# Altium PCB Power_Board.PcbDoc (part 1 of 2) (continued)
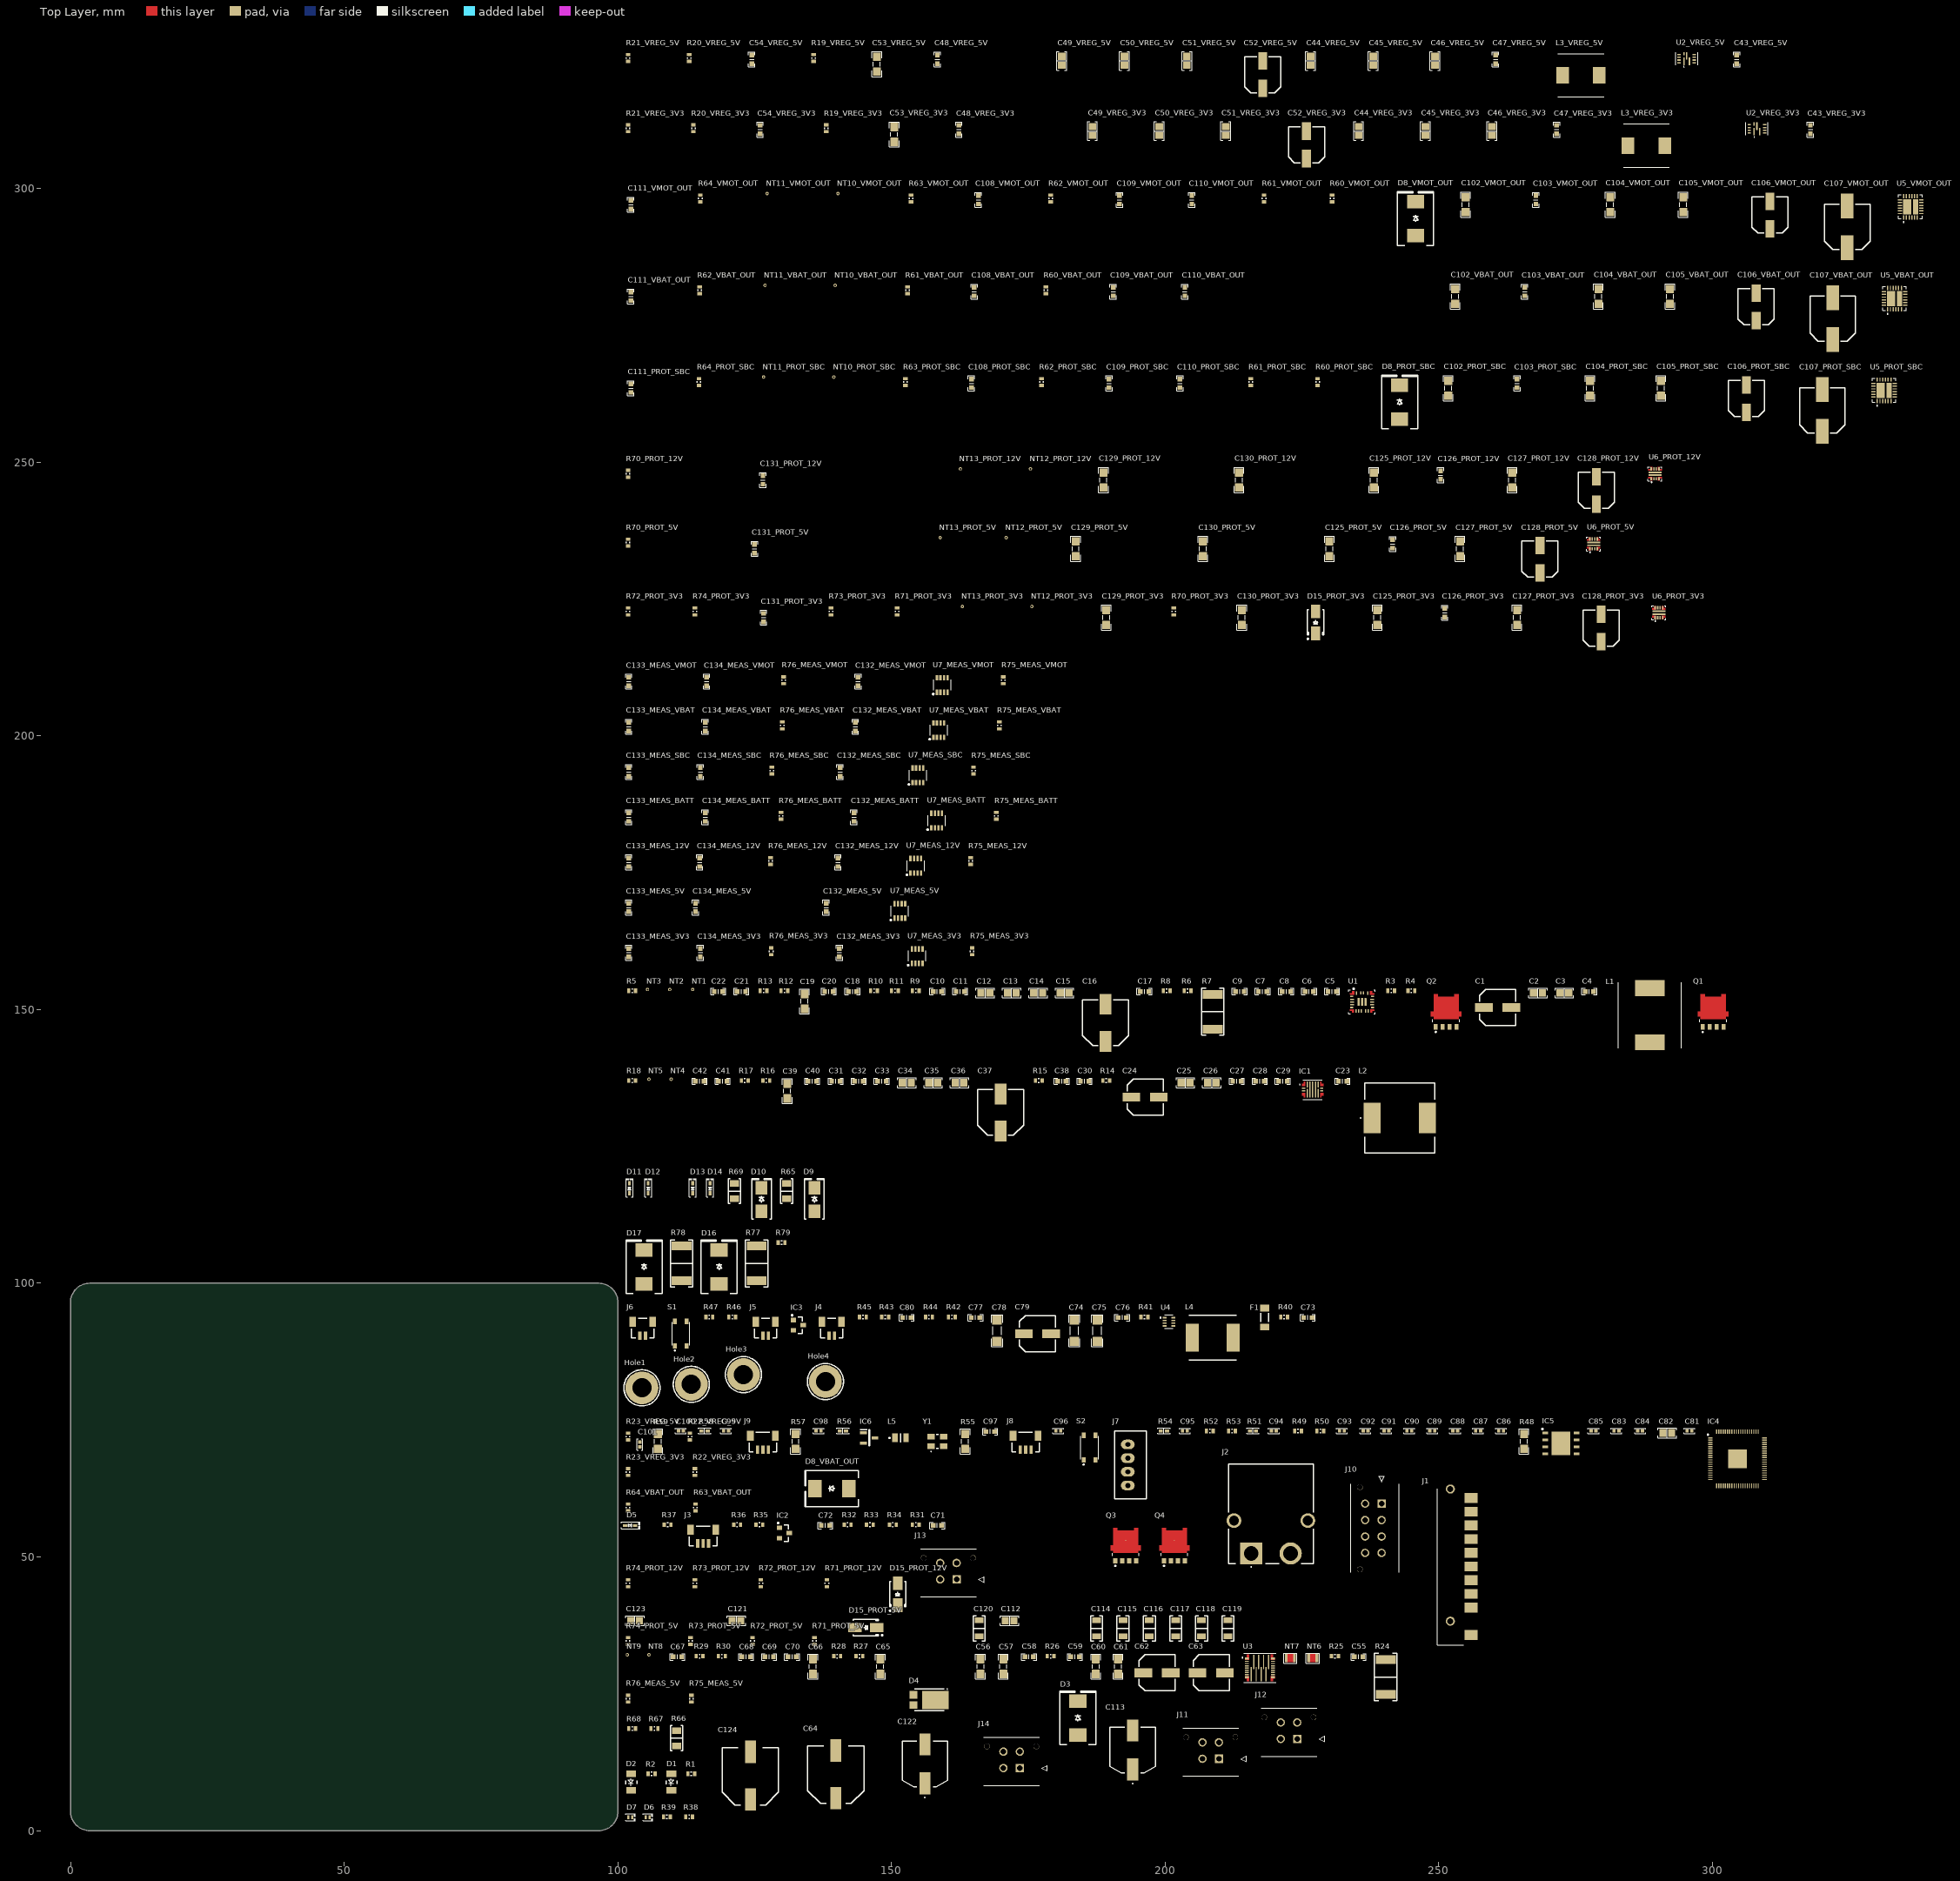
[diagram p0: Top Layer view]
## Components (designator, comment, footprint, x,y, rotation, side; value= is the part's Value field where it differs from the comment) (continued)
C103_VBAT_OUT "10nF" CAP_SMD_603 265.684,281.178 r90 top (schematic designator C103)
C103_VMOT_OUT "10nF" CAP_SMD_603 267.716,297.942 r90 top (schematic designator C103)
C104_PROT_SBC "1uF" CAP_SMD_805 277.622,263.525 r90 top (schematic designator C104)
C104_VBAT_OUT "1uF" CAP_SMD_805 279.146,280.289 r90 top (schematic designator C104)
C104_VMOT_OUT "1uF" CAP_SMD_805 281.305,297.053 r90 top (schematic designator C104)
C105_PROT_SBC "2.2uF" CAP_SMD_805 290.576,263.525 r90 top (schematic designator C105)
C105_VBAT_OUT "2.2uF" CAP_SMD_805 292.227,280.289 r90 top (schematic designator C105)
C105_VMOT_OUT "2.2uF" CAP_SMD_805 294.64,297.053 r90 top (schematic designator C105)
C106_PROT_SBC "100uF" "CAP ALSMD 6.6MM H5.4MM" 306.197,261.62 r90 top (schematic designator C106)
C106_VBAT_OUT "100uF" "CAP ALSMD 6.6MM H5.4MM" 307.975,278.384 r90 top (schematic designator C106)
C106_VMOT_OUT "100uF" "CAP ALSMD 6.6MM H5.4MM" 310.515,295.148 r90 top (schematic designator C106)
C107_PROT_SBC "330uF" "CAP ALSMD 8.3MM H10.5MM" 320.04,259.461 r90 top (schematic designator C107)
C107_VBAT_OUT "330uF" "CAP ALSMD 8.3MM H10.5MM" 321.945,276.225 r90 top (schematic designator C107)
C107_VMOT_OUT "330uF" "CAP ALSMD 8.3MM H10.5MM" 324.612,292.989 r90 top (schematic designator C107)
C108_PROT_SBC "*" CAP_SMD_603 164.592,264.414 r90 top (schematic designator C108)
C108_VBAT_OUT "*" CAP_SMD_603 165.1,281.178 r90 top (schematic designator C108)
C108_VMOT_OUT "*" CAP_SMD_603 165.862,297.942 r90 top (schematic designator C108)
C109_PROT_SBC "*" CAP_SMD_603 189.738,264.414 r90 top (schematic designator C109)
C109_VBAT_OUT "*" CAP_SMD_603 190.5,281.178 r90 top (schematic designator C109)
C109_VMOT_OUT "*" CAP_SMD_603 191.643,297.942 r90 top (schematic designator C109)
C110_PROT_SBC "15nF" CAP_SMD_603 202.692,264.414 r90 top (schematic designator C110)
C110_VBAT_OUT "15nF" CAP_SMD_603 203.581,281.178 r90 top (schematic designator C110)
C110_VMOT_OUT "15nF" CAP_SMD_603 204.851,297.942 r90 top (schematic designator C110)
C111_PROT_SBC "1nF" CAP_SMD_603 102.362,263.525 r90 top (schematic designator C111)
C111_VBAT_OUT "1nF" CAP_SMD_603 102.362,280.289 r90 top (schematic designator C111)
C111_VMOT_OUT "1nF" CAP_SMD_603 102.362,297.053 r90 top (schematic designator C111)
C112 "22 µF" "CAP 0805_2012" 171.577,38.354 r0 top
C113 "EEH-ZL1E471P" EEETC1V470P 194.056,14.732 r0 top value=470uF
C114 "47 µF" "MURATA CAP GRM31C 1206_3216" 187.452,36.957 r90 top
C115 "47 µF" "MURATA CAP GRM31C 1206_3216" 192.278,36.957 r90 top
C116 "47 µF" "MURATA CAP GRM31C 1206_3216" 197.104,36.957 r90 top
C117 "47 µF" "MURATA CAP GRM31C 1206_3216" 201.93,36.957 r90 top
C118 "47 µF" "MURATA CAP GRM31C 1206_3216" 206.629,36.957 r90 top
C119 "47 µF" "MURATA CAP GRM31C 1206_3216" 211.455,36.957 r90 top
C120 "47 µF" "MURATA CAP GRM31C 1206_3216" 165.989,36.957 r90 top
C121 "22 µF" "CAP 0805_2012" 121.666,38.354 r0 top
C122 "EEH-ZL1E471P" EEETC1V470P 156.083,12.186 r0 top value=470uF
C123 "22 µF" "CAP 0805_2012" 103.124,38.354 r0 top
C124 "EEH-ZS1E102UP" EEHZS1H221P 124.206,10.033 r90 top value=1000uF
C125_PROT_3V3 "1uF" CAP_SMD_805 238.76,221.615 r90 top (schematic designator C125)
C125_PROT_5V "1uF" CAP_SMD_805 229.997,234.188 r90 top (schematic designator C125)
C125_PROT_12V "1uF" CAP_SMD_805 238.125,246.761 r90 top (schematic designator C125)
C126_PROT_3V3 "100nF" CAP_SMD_603 251.079,222.504 r90 top (schematic designator C126)
C126_PROT_5V "100nF" CAP_SMD_603 241.554,235.077 r90 top (schematic designator C126)
C126_PROT_12V "100nF" CAP_SMD_603 250.317,247.65 r90 top (schematic designator C126)
C127_PROT_3V3 "4.7uF" CAP_SMD_805 264.287,221.615 r90 top (schematic designator C127)
C127_PROT_5V "4.7uF" CAP_SMD_805 253.873,234.188 r90 top (schematic designator C127)
C127_PROT_12V "4.7uF" CAP_SMD_805 263.398,246.761 r90 top (schematic designator C127)
C128_PROT_3V3 "100uF" "CAP ALSMD 6.6MM H5.4MM" 279.654,219.71 r90 top (schematic designator C128)
C128_PROT_5V "100uF" "CAP ALSMD 6.6MM H5.4MM" 268.478,232.283 r90 top (schematic designator C128)
C128_PROT_12V "100uF" "CAP ALSMD 6.6MM H5.4MM" 278.765,244.856 r90 top (schematic designator C128)
C129_PROT_3V3 "*" CAP_SMD_805 189.23,221.615 r90 top (schematic designator C129)
C129_PROT_5V "*" CAP_SMD_805 183.642,234.188 r90 top (schematic designator C129)
C129_PROT_12V "*" CAP_SMD_805 188.722,246.761 r90 top (schematic designator C129)
C130_PROT_3V3 "*" CAP_SMD_805 213.995,221.615 r90 top (schematic designator C130)
C130_PROT_5V "*" CAP_SMD_805 206.883,234.188 r90 top (schematic designator C130)
C130_PROT_12V "*" CAP_SMD_805 213.487,246.761 r90 top (schematic designator C130)
C131_PROT_3V3 "1nF" CAP_SMD_603 126.619,221.615 r90 top (schematic designator C131)
C131_PROT_5V "1nF" CAP_SMD_603 124.968,234.188 r90 top (schematic designator C131)
C131_PROT_12V "1nF" CAP_SMD_603 126.492,246.761 r90 top (schematic designator C131)
C132_MEAS_3V3 "100nF" CAP_SMD_603 140.462,160.401 r90 top (schematic designator C132)
C132_MEAS_5V "100nF" CAP_SMD_603 138.049,168.656 r90 top (schematic designator C132)
C132_MEAS_12V "100nF" CAP_SMD_603 140.208,176.911 r90 top (schematic designator C132)
C132_MEAS_BATT "100nF" CAP_SMD_603 143.129,185.166 r90 top (schematic designator C132)
C132_MEAS_SBC "100nF" CAP_SMD_603 140.589,193.421 r90 top (schematic designator C132)
C132_MEAS_VBAT "100nF" CAP_SMD_603 143.383,201.676 r90 top (schematic designator C132)
C132_MEAS_VMOT "100nF" CAP_SMD_603 143.891,209.931 r90 top (schematic designator C132)
C133_MEAS_3V3 "1uF" CAP_SMD_603 101.981,160.401 r90 top (schematic designator C133)
C133_MEAS_5V "1uF" CAP_SMD_603 101.981,168.656 r90 top (schematic designator C133)
C133_MEAS_12V "1uF" CAP_SMD_603 101.981,176.911 r90 top (schematic designator C133)
C133_MEAS_BATT "1uF" CAP_SMD_603 101.981,185.166 r90 top (schematic designator C133)
C133_MEAS_SBC "1uF" CAP_SMD_603 101.981,193.421 r90 top (schematic designator C133)
C133_MEAS_VBAT "1uF" CAP_SMD_603 101.981,201.676 r90 top (schematic designator C133)
C133_MEAS_VMOT "1uF" CAP_SMD_603 101.981,209.931 r90 top (schematic designator C133)
C134_MEAS_3V3 "100nF" CAP_SMD_603 115.062,160.401 r90 top (schematic designator C134)
C134_MEAS_5V "100nF" CAP_SMD_603 114.173,168.656 r90 top (schematic designator C134)
C134_MEAS_12V "100nF" CAP_SMD_603 114.935,176.911 r90 top (schematic designator C134)
C134_MEAS_BATT "100nF" CAP_SMD_603 115.951,185.166 r90 top (schematic designator C134)
C134_MEAS_SBC "100nF" CAP_SMD_603 115.062,193.421 r90 top (schematic designator C134)
C134_MEAS_VBAT "100nF" CAP_SMD_603 115.951,201.676 r90 top (schematic designator C134)
C134_MEAS_VMOT "100nF" CAP_SMD_603 116.205,209.931 r90 top (schematic designator C134)
D1 "LED" LED_1206 109.728,8.89 r90 top
D2 "LED" LED_1206 102.362,8.89 r90 top
D3 "SMDJ13A" "DO214AB SMC" 184.023,20.574 r90 top
D4 "SBR10U45SP5-13" "DIODES INC SDT10A45P5" 156.868,23.876 r180 top
D5 "ESD5Z3.3T1G" SOD523F 102.235,55.753 r0 top
D6 "TPD1E10B06DPYR" 0402 105.41,2.413 r0 top
D7 "TPD1E10B06DPYR" 0402 102.235,2.413 r0 top
D8_PROT_SBC "B530C-13-F" "DO214AB SMC" 242.824,260.985 r90 top (schematic designator D8)
D8_VBAT_OUT "B530C-13-F" "DO214AB SMC" 139.065,62.484 r180 top (schematic designator D8)
D8_VMOT_OUT "B530C-13-F" "DO214AB SMC" 245.745,294.513 r90 top (schematic designator D8)
D9 "SMBJ6.0A" "DO214AA SMB" 135.89,115.316 r90 top
D10 "SMBJ13A" "DO214AA SMB" 126.238,115.316 r90 top
D11 "ESD5Z3.3T1G" SOD523F 102.108,117.348 r90 top
D12 "ESD5Z3.3T1G" SOD523F 105.537,117.348 r90 top
D13 "ESD5Z5.0T1G" SOD523F 113.665,117.348 r90 top
D14 "ESD5Z5.0T1G" SOD523F 116.84,117.348 r90 top
D15_PROT_3V3 "B320AF-13" "DIODES INC SMAF" 227.457,220.726 r90 top (schematic designator D15)
D15_PROT_5V "B320AF-13" "DIODES INC SMAF" 145.288,37.084 r180 top (schematic designator D15)
D15_PROT_12V "B320AF-13" "DIODES INC SMAF" 151.13,43.18 r90 top (schematic designator D15)
D16 "SMCJ13A" "DO214AB SMC" 118.491,102.997 r90 top
D17 "SMCJ13A" "DO214AB SMC" 104.775,102.997 r90 top
F1 "SF-1206F050-2" "FUSE 1206_3216 0.6MM" 218.186,93.726 r90 top
Hole1 "Hole" hole_3.5 104.394,80.899 r0 top
Hole2 "Hole" hole_3.5 113.411,81.534 r0 top
Hole3 "Hole" hole_3.5 122.936,83.312 r0 top
Hole4 "Hole" hole_3.5 137.922,82.042 r0 top
IC1 "TPS55285VALR" XTPS55285VALR 226.949,135.382 r0 top
IC2 "IRLML6344TRPBF" "INFINEON SOT-23-3" 130.429,54.356 r0 top
IC3 "IRLML6344TRPBF" "INFINEON SOT-23-3" 132.969,92.329 r0 top
IC4 "RP2350B" QFN40P1000X1000X90-81N-D 304.546,67.945 r0 top
IC5 "W25Q64JVZPIQ" SON127P600X500X80-9N-D 272.288,70.739 r0 top
IC6 "LM4040A30IDBZR" SOT95P237X112-3N 145.923,71.755 r0 top
J1 "1-1473776-7" 114737767 252.095,48.26 r90 top
J2 "XT60PW-M" XT60PWM 215.71,50.642 r0 top
J3 "BM03B-SRSS-TB(LF)(SN)" "JST BM03B-SRSS-TB" 115.57,53.721 r0 top
J4 "BM02B-SRSS-TB(LF)(SN)" "JST BM02B-SRSS-TB" 139.065,91.694 r0 top
J5 "BM02B-SRSS-TB(LF)(SN)" "JST BM02B-SRSS-TB" 127,91.694 r0 top
J6 "BM02B-SRSS-TB(LF)(SN)" "JST BM02B-SRSS-TB" 104.521,91.694 r0 top
J7 "B4B-XH-A(LF)(SN)" "JST XH B4B-XH-A" 193.167,66.802 r90 top
J8 "BM03B-SRSS-TB(LF)(SN)" "JST BM03B-SRSS-TB" 174.498,70.866 r0 top
J9 "BM03B-SRSS-TB(LF)(SN)" "JST BM03B-SRSS-TB" 126.492,70.866 r0 top
J10 "43045-0812" 43045-08YY_121314 239.525,59.738 r90 top
J11 "43045-0412" 43045-04YY_121314 209.804,13.129 r0 top
J12 "43045-0412" 43045-04YY_121314 224.107,16.764 r0 top
J13 "43045-0412" 43045-04YY_121314 161.877,45.895 r0 top
J14 "43045-0412" 43045-04YY_121314 173.434,11.43 r0 top
L1 "4.7uH" WE-HCC_121021 288.544,148.971 r90 top
L2 "4.7uH" B82477G4472M000 242.824,130.175 r0 top
L3_VREG_3V3 "1.5uH" WE-HCC_807021 287.909,307.848 r0 top (schematic designator L3)
L3_VREG_5V "1.5uH" WE-HCC_807021 275.971,320.675 r0 top (schematic designator L3)
L4 "6.8uH" INDPM8682X400N 208.661,90.043 r0 top
L5 "3.3uH" AOTAB201610S3R3101T 151.638,71.755 r0 top
NT1 "Net_Tie" Net_Tie_Via 113.665,153.67 r0 top net-tie
NT2 "Net_Tie" Net_Tie_Via 109.474,153.67 r90 top net-tie
NT3 "Net_Tie" Net_Tie_Via 105.41,153.67 r90 top net-tie
NT4 "Net_Tie" Net_Tie_Via 109.728,137.287 r90 top net-tie
NT5 "Net_Tie" Net_Tie_Via 105.664,137.287 r90 top net-tie
NT6 "Net_Tie" Net_Tie_1.5mm 226.949,31.496 r0 top net-tie
NT7 "Net_Tie" Net_Tie_1.5mm 222.885,31.496 r0 top net-tie
NT8 "Net_Tie" Net_Tie_Via 105.664,32.131 r90 top net-tie
NT9 "Net_Tie" Net_Tie_Via 101.727,32.131 r90 top net-tie
NT10_PROT_SBC "Net_Tie" Net_Tie_Via 139.446,265.557 r90 top net-tie (schematic designator NT10)
NT10_VBAT_OUT "Net_Tie" Net_Tie_Via 139.7,282.321 r90 top net-tie (schematic designator NT10)
NT10_VMOT_OUT "Net_Tie" Net_Tie_Via 140.208,299.085 r90 top net-tie (schematic designator NT10)
NT11_PROT_SBC "Net_Tie" Net_Tie_Via 126.619,265.557 r90 top net-tie (schematic designator NT11)
NT11_VBAT_OUT "Net_Tie" Net_Tie_Via 126.873,282.321 r90 top net-tie (schematic designator NT11)
NT11_VMOT_OUT "Net_Tie" Net_Tie_Via 127.254,299.085 r90 top net-tie (schematic designator NT11)
NT12_PROT_3V3 "Net_Tie" Net_Tie_Via 175.641,223.647 r90 top net-tie (schematic designator NT12)
NT12_PROT_5V "Net_Tie" Net_Tie_Via 170.942,236.22 r90 top net-tie (schematic designator NT12)
NT12_PROT_12V "Net_Tie" Net_Tie_Via 175.387,248.793 r90 top net-tie (schematic designator NT12)
NT13_PROT_3V3 "Net_Tie" Net_Tie_Via 162.941,223.647 r90 top net-tie (schematic designator NT13)
NT13_PROT_5V "Net_Tie" Net_Tie_Via 158.877,236.22 r90 top net-tie (schematic designator NT13)
NT13_PROT_12V "Net_Tie" Net_Tie_Via 162.56,248.793 r90 top net-tie (schematic designator NT13)
Q1 "NVMFS4C305NET1G-YE" NVMFS4C05NWFET1G 298.196,146.812 r0 top
Q2 "NVMFS4C305NET1G-YE" NVMFS4C05NWFET1G 249.428,146.812 r0 top
Q3 "NTMFS003P03P8ZT1G" NVMFS4C05NWFET1G 190.881,49.276 r0 top
Q4 "NTMFS003P03P8ZT1G" NVMFS4C05NWFET1G 199.771,49.276 r0 top
R1 "220R" RES_0603 112.776,10.414 r0 top
R2 "220R" RES_0603 105.537,10.414 r0 top
R3 "1R" RES_0603 240.665,153.416 r0 top
R4 "1R" RES_0603 244.348,153.416 r0 top
R5 "10k" RES_0603 101.981,153.416 r0 top
R6 "0R" RES_0603 203.454,153.416 r0 top
R7 "3 mOhms" "RES 2512_6432" 208.661,149.606 r90 top
R8 "100k" RES_0603 199.644,153.416 r0 top
R9 "30.9k" RES_0603 153.797,153.416 r0 top
R10 "66.5k" RES_0603 146.177,153.416 r0 top
R11 "150k" RES_0603 149.987,153.416 r0 top
R12 "165k" RES_0603 129.794,153.416 r0 top
R13 "41.2k" RES_0603 125.984,153.416 r0 top
R14 "24.9k" RES_0603 188.595,137.033 r0 top
R15 "102k" RES_0603 176.276,137.033 r0 top
R16 "105k" RES_0603 126.492,137.033 r0 top
R17 "2.46k" RES_0603 122.555,137.033 r0 top
R18 "10k" RES_0603 101.981,137.033 r0 top
R19_VREG_3V3 "0R" RES_0603 138.049,310.388 r90 top (schematic designator R19)
R19_VREG_5V "0R" RES_0603 135.763,323.215 r90 top (schematic designator R19)
R20_VREG_3V3 "90.9k" RES_0603 113.792,310.388 r90 top (schematic designator R20)
R20_VREG_5V "147k" RES_0603 113.03,323.215 r90 top (schematic designator R20)
R21_VREG_3V3 "20k" RES_0603 101.854,310.388 r90 top (schematic designator R21)
R21_VREG_5V "20k" RES_0603 101.854,323.215 r90 top (schematic designator R21)
R22_VREG_3V3 "10k" RES_0603 114.046,64.897 r90 top (schematic designator R22)
R22_VREG_5V "10k" RES_0603 113.157,71.374 r90 top (schematic designator R22)
R23_VREG_3V3 "10k" RES_0603 101.854,64.897 r90 top (schematic designator R23)
R23_VREG_5V "10k" RES_0603 101.854,71.374 r90 top (schematic designator R23)
R24 "1 mOhms" "RES 2512_6432" 240.284,28.067 r90 top
R25 "4.7k" RES_0603 230.378,31.877 r0 top
R26 "10R" RES_0603 178.435,31.877 r0 top
R27 "1M" RES_0603 143.51,31.877 r0 top
R28 "156k" RES_0603 139.446,31.877 r0 top
R29 "1.3k" RES_0603 114.3,31.877 r0 top
R30 "3.6k" RES_0603 118.364,31.877 r0 top
R31 "41.2k" RES_0603 153.797,55.88 r0 top
R32 "10.7k" RES_0603 141.351,55.88 r0 top
R33 "100R" RES_0603 145.415,55.88 r0 top
R34 "220R" RES_0603 149.606,55.88 r0 top
R35 "51k" RES_0603 125.222,55.88 r0 top
R36 "220R" RES_0603 121.158,55.88 r0 top
R37 "10k" RES_0603 108.458,55.88 r0 top
R38 "220R" RES_0603 112.395,2.54 r0 top
R39 "220R" RES_0603 108.331,2.54 r0 top
R40 "0R" RES_0603 221.107,93.853 r0 top
R41 "137k" RES_0603 195.58,93.853 r0 top
R42 "30.9k" RES_0603 160.401,93.853 r0 top
R43 "21k" RES_0603 148.209,93.853 r0 top
R44 "0R" RES_0603 156.21,93.853 r0 top
R45 "10k" RES_0603 144.145,93.853 r0 top
R46 "10k" RES_0603 120.269,93.853 r0 top
R47 "10k" RES_0603 116.078,93.853 r0 top
R48 "1k" RES_0805 265.557,71.12 r90 top
R49 "10k" RES_0603 223.647,73.025 r0 top
R50 "10k" RES_0603 227.711,73.025 r0 top
R51 "27R" "RES 0402_1005" 216.027,73.025 r0 top
R52 "10k" RES_0603 207.518,73.025 r0 top
R53 "10k" RES_0603 211.582,73.025 r0 top
R54 "27R" "RES 0402_1005" 199.771,73.025 r0 top
R55 "1.5k" RES_0805 163.449,71.12 r90 top
R56 "33R" "RES 0402_1005" 141.097,73.025 r0 top
R57 "100R" RES_0805 132.461,71.12 r90 top
R58 "1k" "RES 0402_1005" 115.824,73.025 r0 top
R59 "100R" RES_0805 107.315,71.12 r90 top
R60_PROT_SBC "10k" RES_0603 227.838,264.033 r90 top (schematic designator R60)
R60_VBAT_OUT "10k" RES_0603 178.181,280.797 r90 top (schematic designator R60)
R60_VMOT_OUT "10k" RES_0603 230.505,297.561 r90 top (schematic designator R60)
R61_PROT_SBC "*" RES_0603 215.646,264.033 r90 top (schematic designator R61)
R61_VBAT_OUT "*" RES_0603 152.908,280.797 r90 top (schematic designator R61)
R61_VMOT_OUT "*" RES_0603 218.059,297.561 r90 top (schematic designator R61)
R62_PROT_SBC "*" RES_0603 177.419,264.033 r90 top (schematic designator R62)
R62_VBAT_OUT "" RES_0603 114.935,280.797 r90 top (schematic designator R62)
R62_VMOT_OUT "" RES_0603 179.07,297.561 r90 top (schematic designator R62)
R63_PROT_SBC "1M" RES_0603 152.527,264.033 r90 top (schematic designator R63)
R63_VBAT_OUT "1M" RES_0603 114.173,58.42 r90 top (schematic designator R63)
R63_VMOT_OUT "1M" RES_0603 153.543,297.561 r90 top (schematic designator R63)
R64_PROT_SBC "*" RES_0603 114.808,264.033 r90 top (schematic designator R64)
R64_VBAT_OUT "*" RES_0603 101.854,58.42 r90 top (schematic designator R64)
R64_VMOT_OUT "*" RES_0603 115.062,297.561 r90 top (schematic designator R64)
R65 "7 mOhms" "RES 1206_3216" 130.81,116.84 r90 top
R66 "4 mOhms" "RES 1206_3216" 110.744,16.891 r90 top
R67 "10k" RES_0603 106.045,18.669 r0 top
R68 "4.7k" RES_0603 101.981,18.669 r0 top
R69 "4 mOhms" "RES 1206_3216" 121.285,116.84 r90 top
R70_PROT_3V3 "*" RES_0603 201.549,222.123 r90 top (schematic designator R70)
R70_PROT_5V "*" RES_0603 101.854,234.696 r90 top (schematic designator R70)
R70_PROT_12V "*" RES_0603 101.854,247.269 r90 top (schematic designator R70)
R71_PROT_3V3 "500k" RES_0603 151.003,222.123 r90 top (schematic designator R71)
R71_PROT_5V "500k" RES_0603 135.89,34.036 r90 top (schematic designator R71)
R71_PROT_12V "500k" RES_0603 138.176,44.577 r90 top (schematic designator R71)
R72_PROT_3V3 "10k" RES_0603 101.854,222.123 r90 top (schematic designator R72)
R72_PROT_5V "10k" RES_0603 124.587,34.036 r90 top (schematic designator R72)
R72_PROT_12V "10k" RES_0603 126.111,44.577 r90 top (schematic designator R72)
R73_PROT_3V3 "*" RES_0603 138.938,222.123 r90 top (schematic designator R73)
R73_PROT_5V "*" RES_0603 113.284,34.036 r90 top (schematic designator R73)
R73_PROT_12V "*" RES_0603 114.046,44.577 r90 top (schematic designator R73)
R74_PROT_3V3 "*" RES_0603 114.046,222.123 r90 top (schematic designator R74)
R74_PROT_5V "*" RES_0603 101.854,34.036 r90 top (schematic designator R74)
R74_PROT_12V "*" RES_0603 101.854,44.577 r90 top (schematic designator R74)
R75_MEAS_3V3 "27R" RES_0603 164.719,160.02 r90 top (schematic designator R75)
R75_MEAS_5V "27R" RES_0603 113.411,23.495 r90 top (schematic designator R75)
R75_MEAS_12V "27R" RES_0603 164.465,176.53 r90 top (schematic designator R75)
R75_MEAS_BATT "27R" RES_0603 169.164,184.785 r90 top (schematic designator R75)
R75_MEAS_SBC "27R" RES_0603 164.973,193.04 r90 top (schematic designator R75)
R75_MEAS_VBAT "27R" RES_0603 169.672,201.295 r90 top (schematic designator R75)
R75_MEAS_VMOT "27R" RES_0603 170.434,209.55 r90 top (schematic designator R75)
R76_MEAS_3V3 "27R" RES_0603 128.016,160.02 r90 top (schematic designator R76)
R76_MEAS_5V "27R" RES_0603 101.854,23.495 r90 top (schematic designator R76)
R76_MEAS_12V "27R" RES_0603 127.889,176.53 r90 top (schematic designator R76)
R76_MEAS_BATT "27R" RES_0603 129.794,184.785 r90 top (schematic designator R76)
R76_MEAS_SBC "27R" RES_0603 128.143,193.04 r90 top (schematic designator R76)
R76_MEAS_VBAT "27R" RES_0603 130.048,201.295 r90 top (schematic designator R76)
R76_MEAS_VMOT "27R" RES_0603 130.302,209.55 r90 top (schematic designator R76)
R77 "3 mOhms" "RES 2512_6432" 125.349,103.632 r90 top
R78 "3 mOhms" "RES 2512_6432" 111.633,103.632 r90 top
R79 "4.7k" RES_0603 129.286,107.442 r0 top
S1 "PTS815_SJK_250_SMTR_LFS" PTS815SJK250SMTRLFS 111.506,90.805 r90 top
S2 "PTS815_SJK_250_SMTR_LFS" PTS815SJK250SMTRLFS 186.182,69.977 r90 top
U1 "TPS55288RPMR" VQFN-HR26_RPM_TEX 235.966,151.384 r0 top
U2_VREG_3V3 "TPS51386RJNR" VQFN-HR12_RJN_TEX 308.102,310.896 r90 top (schematic designator U2)
U2_VREG_5V "TPS51386RJNR" VQFN-HR12_RJN_TEX 295.275,323.723 r90 top (schematic designator U2)
U3 "TPS25990ARQPR" VQFN26_RQP_TEX 217.297,29.718 r0 top
U4 "TPS62932DRLR" SOT8_DRL_TEX 200.66,92.964 r0 top
U5_PROT_SBC "TPS259824ONRGER" RGE24_2P5XP85X1P45_TEX 331.343,263.144 r90 top (schematic designator U5)
U5_VBAT_OUT "TPS259824ONRGER" RGE24_2P5XP85X1P45_TEX 333.248,279.908 r90 top (schematic designator U5)
U5_VMOT_OUT "TPS259824ONRGER" RGE24_2P5XP85X1P45_TEX 336.169,296.672 r90 top (schematic designator U5)
U6_PROT_3V3 "TPS259814LRPWR" VQFN10_RPW_TEX 290.195,222.504 r90 top (schematic designator U6)
U6_PROT_5V "TPS259814LRPWR" VQFN10_RPW_TEX 278.257,235.077 r90 top (schematic designator U6)
U6_PROT_12V "TPS259814LRPWR" VQFN10_RPW_TEX 289.498,247.893 r90 top (schematic designator U6)
U7_MEAS_3V3 "INA236AIDDFR" SOT23-8_DDF_TEX 154.686,159.766 r90 top (schematic designator U7)
U7_MEAS_5V "INA236AIDDFR" SOT23-8_DDF_TEX 151.511,168.021 r90 top (schematic designator U7)
U7_MEAS_12V "INA236AIDDFR" SOT23-8_DDF_TEX 154.432,176.276 r90 top (schematic designator U7)
U7_MEAS_BATT "INA236AIDDFR" SOT23-8_DDF_TEX 158.242,184.531 r90 top (schematic designator U7)
U7_MEAS_SBC "INA236AIDDFR" SOT23-8_DDF_TEX 154.813,192.786 r90 top (schematic designator U7)
U7_MEAS_VBAT "INA236AIDDFR" SOT23-8_DDF_TEX 158.623,201.041 r90 top (schematic designator U7)
U7_MEAS_VMOT "INA236AIDDFR" SOT23-8_DDF_TEX 159.258,209.296 r90 top (schematic designator U7)
Y1 "ABM8-272-T3" ABM8272T3 158.369,71.12 r0 top

## Footprints (in the part's own frame and the unit in brackets; to place one, negate y for a bottom-side part, rotate by r counter-clockwise, add the part's x,y. Pads: shape width x height; smd on the part's side, far side on the other; paste and mask are expansions set on the pad)
0402 [mm] "SODFL, 2-Leads, Body 0.675x1.075mm, IPC Medium Density"
  rect 0.4x0.7 smd: 1(-0.35,0) 2(0.35,0)
  silkscreen extent -0.8,-0.63 0.92,0.63, body extent -0.51,-0.31 0.5,0.3, height 0.45
43045-04YY_121314 [mm]
  rect 1.52x1.52 hole 1.02: 1(0,0)
  round 1.52 hole 1.02: 2(-3,0) 3(0,3) 4(-3,3)
  round 1.02 hole 1.02 unplated: 5(3,3.94) 6(-6,3.94)
  silkscreen extent -6.58,-3.17 5,5.6, body extent -6.56,-2.44 3.58,6.33, height 9.85
43045-08YY_121314 [mm]
  rect 1.52x1.52 hole 1.02: 1(0,0)
  round 1.52 hole 1.02: 2(-3,0) 3(-6,0) 4(-9,0) 5(0,3) 6(-3,3) 7(-6,3) 8(-9,3)
  round 1.02 hole 1.02 unplated: 9(3,3.94) 10(-12,3.94)
  silkscreen extent -12.57,-3.17 5,5.6, body extent -12.58,-2.47 3.57,6.3, height 9.83
114737767 [mm]
  rect 1.8x2.4 smd: 1(-12.5,-3.8) 2(-7.5,-3.8) 3(-5,-3.8) 4(-2.5,-3.8) 5(0,-3.8) 6(2.5,-3.8) 7(5,-3.8) 8(7.5,-3.8) 9(10,-3.8) 10(12.5,-3.8)
  round 1.65 hole 1.1: 11(-10,0) 12(14.15,0)
  silkscreen extent -14.35,-2.4 14.15,2.4, body extent -16.35,-4.4 16.35,2.4, height 6.55
ABM8272T3 [mm]
  rect 1.3x1.05 smd: 1(-1.15,-0.875) 2(1.15,-0.875) 3(1.15,0.875) 4(-1.15,0.875)
  silkscreen extent -1.2,-1.9 0.2,1.25, body extent -1.6,-1.25 1.6,1.25, height 0.75
AOTAB201610S3R3101T [mm]
  rect 1x1.6 smd: 1(-1,0) 2(1,0)
  silkscreen extent -2.1,-0.8 0,0.8, body extent -1,-0.8 1,0.8, height 1
B82477G4472M000 [mm]
  rect 3.1x5.6 smd: 1(-5.05,0) 2(5.05,0)
  silkscreen extent -7.2,-6.4 6.4,6.4, body extent -6,-6 6,6, height 7.56
"CAP 0402_1005" [mm] "Chip Capacitor, 2-Leads, Body 1.02x0.51mm, IPC Medium Density"
  rect 0.6x0.64 smd: 1(-0.44,0) 2(0.44,0)
  silkscreen extent -1,-0.5 1,0.5, body extent -0.5,-0.26 0.5,0.26, height 0.52
"CAP 0805_2012" [mm] "Chip Capacitor, 2-Leads, Body 2.00x1.20mm, IPC Medium Density"
  rect 1.3x1.4 smd: 1(-0.8,0) 2(0.8,0)
  silkscreen extent -1.7,-0.9 1.7,0.9, body extent -1,-0.64 1,0.64, height 1.26
"CAP ALSMD 6.6MM H5.4MM" [mm] "Aluminum Electrolytic Capacitor, Body 6.60x6.60x5.40mm, IPC Low Density"
  rect 3.2x1.6 smd: 1(-2.5,0) 2(2.5,0)
  silkscreen extent -3.3,-3.3 3.3,3.3, body extent -3.5,-3.3 3.5,3.3, height 5.4
"CAP ALSMD 6.6MM H7.7MM" [mm] "Aluminum Electrolytic Capacitor, Body 6.60x6.60x7.70mm, IPC Low Density"
  rect 3.2x1.6 smd: 1(-2.5,0) 2(2.5,0)
  silkscreen extent -3.3,-3.3 3.3,3.3, body extent -3.6,-3.3 3.6,3.3, height 7.7
"CAP ALSMD 6.6MM H8.0MM" [mm] "Aluminum Electrolytic Capacitor, Body 6.60x6.60x8.0mm, IPC Low Density"
  rect 3.2x1.6 smd: 1(-2.5,0) 2(2.5,0)
  silkscreen extent -3.3,-3.3 3.3,3.3, body extent -3.5,-3.3 3.5,3.3, height 8
"CAP ALSMD 8.3MM H10.5MM" [mm] "Aluminum Electrolytic Capacitor, Body 8.30x8.30x10.50mm, IPC Low Density"
  rect 4.55x2.3 smd: 1(-3.8,0) 2(3.8,0)
  silkscreen extent -4.15,-4.15 4.15,4.15, body extent -4.95,-4.15 4.95,4.15, height 10.5
CAP_SMD_603 [mm]
  rect 0.85x0.85 smd: 1(-0.775,0) 2(0.775,0)
  silkscreen extent -1.37,-0.59 1.37,0.59, body extent -0.8,-0.4 0.8,0.4, height 0.9
CAP_SMD_805 [mm]
  rect 1.55x1.45 smd: 1(-1.35,0) 2(1.35,0)
  silkscreen extent -2.29,-0.89 2.29,0.89, body extent -1,-0.62 1,0.63, height 0.78
CAP_SMD_1206 [mm]
  rect 1.65x1.75 smd: 1(-1.95,0) 2(1.95,0)
  silkscreen extent -2.92,-1.02 2.92,1.02, body extent -1.6,-0.8 1.6,0.8, height 1
CAPAE830X1250N [mm]
  rect 3.8x2.15 smd: 1(-3.4,0) 2(3.4,0)
  silkscreen extent -4.13,-4.19 4.19,4.19, body extent -4.6,-4.25 4.6,4.25, height 12.5
"DIODES INC SDT10A45P5" [mm] "PowerDI5"
  rect 4.86x3.36 smd: 1(-1.12,0)
  rect 1.4x1.39 smd: 2(2.862,-0.92) 2(2.862,0.92)
  silkscreen extent -3.35,-2.05 2.7,2, body extent -3.25,-1.98 3.25,1.98, height 1.1
"DIODES INC SMAF" [mm] "SODFL, 2-Leads, Body 2.60x5.20mm, IPC Medium Density"
  rect 2.5x1.7 smd: 1(-2,0) 2(2,0)
  silkscreen extent -3.12,-1.5 2.3,1.52, body extent -2.6,-1.48 2.6,1.48, height 1.1
"DO214AA SMB" [mm] "Molded Diode, 2-Leads, Body 4.31x3.62mm, IPC Medium Density"
  rect 2.45x2.15 smd: 1(-2.15,0) 2(2.15,0)
  silkscreen extent -3.6,-1.8 3.8,1.8, body extent -2.6,-1.8 2.6,1.8, height 2.4
"DO214AB SMC" [mm] "Molded Diode, 2-Leads, Body 6.85x5.90mm, IPC Medium Density"
  rect 2.45x3.15 smd: 1(-3.1,0) 2(3.1,0)
  silkscreen extent -4.9,-3.3 4.9,3.3, body extent -3.97,-2.95 3.97,2.95, height 2.6
EEETC1V470P [mm]
  rect 2x4 smd: 1(0,-3.55) 2(0,3.55)
  silkscreen extent -4.15,-6.2 4.15,4.15, body extent -4.15,-4.85 4.15,4.85, height 10.2
EEHZS1H221P [mm]
  rect 4.1x2 smd: 1(-4.35,0) 2(4.35,0)
  silkscreen extent -5.33,-5.15 5.15,5.15, body extent -5.5,-5.15 5.5,5.15, height 16.5
"FUSE 1206_3216 0.6MM" [mm] "Chip Fuse 1.5A AC 63V DC, 2-Leads, Body 3.10x1.55mm, IPC Medium Densitym"
  rect 1.25x1.65 smd: 1(-1.725,0) 2(1.725,0)
  silkscreen extent -0.8,-0.72 0.8,0.72, body extent -1.55,-0.77 1.55,0.78, height 0.76
hole_3.5 [mm] "3.5mm hole with exposed ring"
  round 6 hole 3.5: 1(0,0)
  silkscreen extent -3.3,-3.3 3.3,3.3
INDPM8682X400N [mm]
  rect 2.4x5.1 smd: 1(-3.75,0) 2(3.75,0)
  silkscreen extent -4.32,-4.09 4.32,4.09, body extent -4.3,-4.1 4.3,4.1, height 3.9
"INFINEON SOT-23-3" [mm] "SOT23, 3-Leads, Body 2.90x2.40mm, Pitch 0.95mm, IPC Medium Density"
  rect 0.972x0.802 smd: 1(-0.885,0.95) 2(-0.885,-0.95) 3(0.885,0)
  silkscreen extent -1.27,-1.5 0.7,1.95, body extent -1.16,-1.45 1.16,1.45, height 1
"JST BM02B-SRSS-TB" [mm] "1.0mm pitch/Disconnectable Crimp style connector"
  rect 0.6x1.55 smd: 1(-0.5,-1.262) 2(0.5,-1.262)
  rect 1.2x1.8 smd: M(-1.8,1.262) M(1.8,1.262)
  silkscreen extent -2.03,-1.68 2.03,1.91, body extent -2,-1.69 2,1.91, height 4.32
"JST BM03B-SRSS-TB" [mm] "1.0mm pitch/Disconnectable Crimp style connector"
  rect 0.6x1.55 smd: 1(-1,-1.262) 2(0,-1.262) 3(1,-1.262)
  rect 1.2x1.8 smd: M(-2.3,1.262) M(2.3,1.262)
  silkscreen extent -2.53,-1.68 2.53,1.91, body extent -2.5,-1.69 2.5,1.91, height 4.32
"JST XH B4B-XH-A" [mm]
  oval 1.75x2.5 hole 0.9: 1(-3.75,0) 2(-1.25,0) 3(1.25,0) 4(3.75,0)
  silkscreen extent -6.2,-3.38 6.2,2.38, body extent -6.2,-3.38 6.2,2.38, height 7
LED_1206 [mm]
  rect 1.2x1.8 smd: 1(1.473,-0.051) 2(-1.549,-0.051)
  silkscreen extent -0.7,-1.09 0.6,0.94, body extent -1.57,-0.86 1.63,0.74, height 1.11
"MURATA CAP GRM31C 1206_3216" [mm] "Chip Capacitor, 2-Leads, Body 3.25x1.60mm"
  rect 1.05x1.6 smd: 1(-1.475,0) 2(1.475,0)
  silkscreen extent -2.3,-1.1 2.3,1.1, body extent -1.6,-0.8 1.6,0.8, height 1.6
Net_Tie_1.5mm [mm] "Net Tie, via style. Full via, 0.3 hole, 0.6 diameter."
  rect 0.5x1.5 smd paste-2539.97 mask+0.102: 1(-0.75,0) 2(0.75,0)
  Top Layer region: -0.75,-0.75 0.75,-0.75 0.75,0.75 -0.75,0.75
  silkscreen extent -1.2,-0.9 1.2,0.9
Net_Tie_Via [mm] "Net Tie, via style. Full via, 0.3 hole, 0.6 diameter."
  round 0.6 hole 0.3: 1(0,0) 2(0,0)
NVMFS4C05NWFET1G [mm]
  rect 0.75x1 smd: 1(0,0.021) 1(1.27,0.021) 1(2.54,0.021) 2(3.81,0.021)
  round 0.025 smd: 3(1.905,3.75)
  Top Layer region: -0.87,1.909 -0.38,1.909 -0.375,1.914 -0.375,1.484 4.185,1.484 4.185,1.914 4.19,1.909 4.68,1.909 4.68,2.819 4.19,2.819 4.185,2.814 4.185,6.017 3.435,6.017 3.435,5.542 0.375,5.542 0.375,6.017 -0.375,6.017 -0.375,2.814 -0.38,2.819 -0.87,2.819
  silkscreen extent -0.55,-1 4.36,1.4, body extent -0.68,-0.28 4.47,5.87, height 1.1
PTS815SJK250SMTRLFS [mm]
  rect 1x0.7 smd: 1(-2.25,1.075) 1(2.25,1.075) 2(-2.25,-1.075) 2(2.25,-1.075)
  silkscreen extent -3.2,-1.6 2.07,1.6, body extent -2.3,-1.6 2.3,1.6, height 2.5
QFN40P1000X1000X90-81N-D [mm]
  rect 0.85x0.2 smd: 1(-4.95,3.8) 2(-4.95,3.4) 3(-4.95,3) 4(-4.95,2.6) 5(-4.95,2.2) 6(-4.95,1.8) 7(-4.95,1.4) 8(-4.95,1) 9(-4.95,0.6) 10(-4.95,0.2) 11(-4.95,-0.2) 12(-4.95,-0.6) 13(-4.95,-1) 14(-4.95,-1.4) 15(-4.95,-1.8) 16(-4.95,-2.2) 17(-4.95,-2.6) 18(-4.95,-3) 19(-4.95,-3.4) 20(-4.95,-3.8) 41(4.95,-3.8) 42(4.95,-3.4) 43(4.95,-3) 44(4.95,-2.6) 45(4.95,-2.2) 46(4.95,-1.8) 47(4.95,-1.4) 48(4.95,-1) 49(4.95,-0.6) 50(4.95,-0.2) 51(4.95,0.2) 52(4.95,0.6) 53(4.95,1) 54(4.95,1.4) 55(4.95,1.8) 56(4.95,2.2) 57(4.95,2.6) 58(4.95,3) 59(4.95,3.4) 60(4.95,3.8)
  rect 0.2x0.85 smd: 21(-3.8,-4.95) 22(-3.4,-4.95) 23(-3,-4.95) 24(-2.6,-4.95) 25(-2.2,-4.95) 26(-1.8,-4.95) 27(-1.4,-4.95) 28(-1,-4.95) 29(-0.6,-4.95) 30(-0.2,-4.95) 31(0.2,-4.95) 32(0.6,-4.95) 33(1,-4.95) 34(1.4,-4.95) 35(1.8,-4.95) 36(2.2,-4.95) 37(2.6,-4.95) 38(3,-4.95) 39(3.4,-4.95) 40(3.8,-4.95) 61(3.8,4.95) 62(3.4,4.95) 63(3,4.95) 64(2.6,4.95) 65(2.2,4.95) 66(1.8,4.95) 67(1.4,4.95) 68(1,4.95) 69(0.6,4.95) 70(0.2,4.95) 71(-0.2,4.95) 72(-0.6,4.95) 73(-1,4.95) 74(-1.4,4.95) 75(-1.8,4.95) 76(-2.2,4.95) 77(-2.6,4.95) 78(-3,4.95) 79(-3.4,4.95) 80(-3.8,4.95)
  rect 3.45x3.45 smd: 81(0,0)
  silkscreen extent -5.47,4.3 -5.28,4.5, body extent -5.05,-5.05 5.05,5.05, height 0.9
"RES 0402_1005" [mm] "Chip Resistor, 2-Leads, Body 1.0x0.5mm, IPC Medium Density"
  rect 0.75x0.6 smd: 1(-0.575,0) 2(0.575,0)
  silkscreen extent -1.14,-0.51 1.14,0.51, body extent -0.5,-0.25 0.5,0.25, height 0.35
"RES 1206_3216" [mm] "Chip Resistor, 2-Leads, Body 3.13x1.55mm, IPC Medium Density"
  rect 1.2x1.65 smd: 1(-1.4,0) 2(1.4,0)
  silkscreen extent -2.3,-1.1 2.3,1.1, body extent -1.6,-0.8 1.6,0.8, height 0.6
"RES 2512_6432" [mm] "Chip Resistor, 2-Leads, Body 6.30x3.15mm, IPC Medium Density"
  rect 1.6x3.65 smd: 1(-3.175,0) 2(3.175,0)
  silkscreen extent -4.3,-2.05 4.3,2.05, body extent -3.15,-1.57 3.15,1.57, height 0.7
RES_0603 [mm]
  rect 0.6x0.85 smd: 1(0,0) 2(1.244,0)
  silkscreen extent 0.52,-0.33 0.72,0.33, body extent -0.14,-0.38 1.38,0.38, height 0.45
RES_0805 [mm]
  rect 1.55x1.45 smd: 1(-1.35,0) 2(1.35,0)
  silkscreen extent -2.29,-0.89 2.29,0.89, body extent -1.25,-0.62 1.25,0.62, height 0.79
RGE24_2P5XP85X1P45_TEX [mm]
  rect 0.783x0.229 smd paste+0 mask+0: 1(-1.953,1.25) 2(-1.953,0.75) 3(-1.953,0.25) 4(-1.953,-0.25) 5(-1.953,-0.75) 6(-1.953,-1.25) 13(1.953,-1.25) 14(1.953,-0.75) 15(1.953,-0.25) 16(1.953,0.25) 17(1.953,0.75) 18(1.953,1.25)
  rect 0.229x0.783 smd paste+0 mask+0: 7(-1.25,-1.953) 8(-0.75,-1.953) 9(-0.25,-1.953) 10(0.25,-1.953) 11(0.75,-1.953) 12(1.25,-1.953) 19(1.25,1.953) 20(0.75,1.953) 21(0.25,1.953) 22(-0.25,1.953) 23(-0.75,1.953) 24(-1.25,1.953)
  rect 2.794x1.549 smd paste+0 mask+0: 25(0,0.625)
  rect 2.794x0.94 smd paste+0 mask+0: 26(0,-0.925)
  silkscreen extent -2.88,-2.17 2.17,2.17, body extent -2,-2 2,2, height 1
SOD523F [mm] "SODFL, 2-Leads, Body 0.80x1.60mm, IPC Medium Density"
  rect 0.8x0.5 smd: 1(-0.9,0) 2(0.9,0)
  silkscreen extent -1.6,-0.64 1.8,0.64, body extent -0.8,-0.4 0.8,0.4, height 0.65
SON127P600X500X80-9N-D [mm]
  rect 1.05x0.45 smd: 1(-2.85,1.905) 2(-2.85,0.635) 3(-2.85,-0.635) 4(-2.85,-1.905) 5(2.85,-1.905) 6(2.85,-0.635) 7(2.85,0.635) 8(2.85,1.905)
  rect 3.45x4.35 smd: 9(0,0)
  silkscreen extent -3.5,2.51 -3.25,2.75, body extent -3.05,-2.5 3.05,2.5, height 0.8
SOT8_DRL_TEX [mil]
  rect 28x10 smd paste+0 mask+0: 1(-31.5,29.53) 2(-31.5,9.84) 3(-31.5,-9.84) 4(-31.5,-29.53) 5(31.5,-29.53) 6(31.5,-9.84) 7(31.5,9.84) 8(31.5,29.53)
  silkscreen extent -64,-48 30,48, body extent -31,-41 31,41, height 24
SOT23-8_DDF_TEX [mm]
  rect 0.998x0.431 smd paste+0 mask+0: 1(-1.324,0.975) 2(-1.324,0.325) 3(-1.324,-0.325) 4(-1.324,-0.975) 5(1.324,-0.975) 6(1.324,-0.325) 7(1.324,0.325) 8(1.324,0.975)
  silkscreen extent -1.78,-1.6 0.95,1.78, body extent -1.41,-1.45 1.41,1.45, height 0.9
SOT95P237X112-3N [mm]
  rect 1.25x0.6 smd: 1(-1.05,0.95) 2(-1.05,-0.95) 3(1.05,0)
  silkscreen extent -1.68,-1.46 0.08,1.5, body extent -1.27,-1.46 1.27,1.46, height 1